# Altium PCB LimeSDR-Micro_M.2_2280_1v0.PcbDoc (part 6 of 7)
Units mm, origin at the board's own origin, x right, y up, seen from the top; angles counter-clockwise.
Board outline 80 x 22 mm, 8 copper layers (Top, L2, L3, L4, L5, L6, L7, Bottom), stack 0.775 mm thick; 671 components, 387 nets, 2350 pads, 853 vias.
Unrouted connection lines stored in the file: 254.
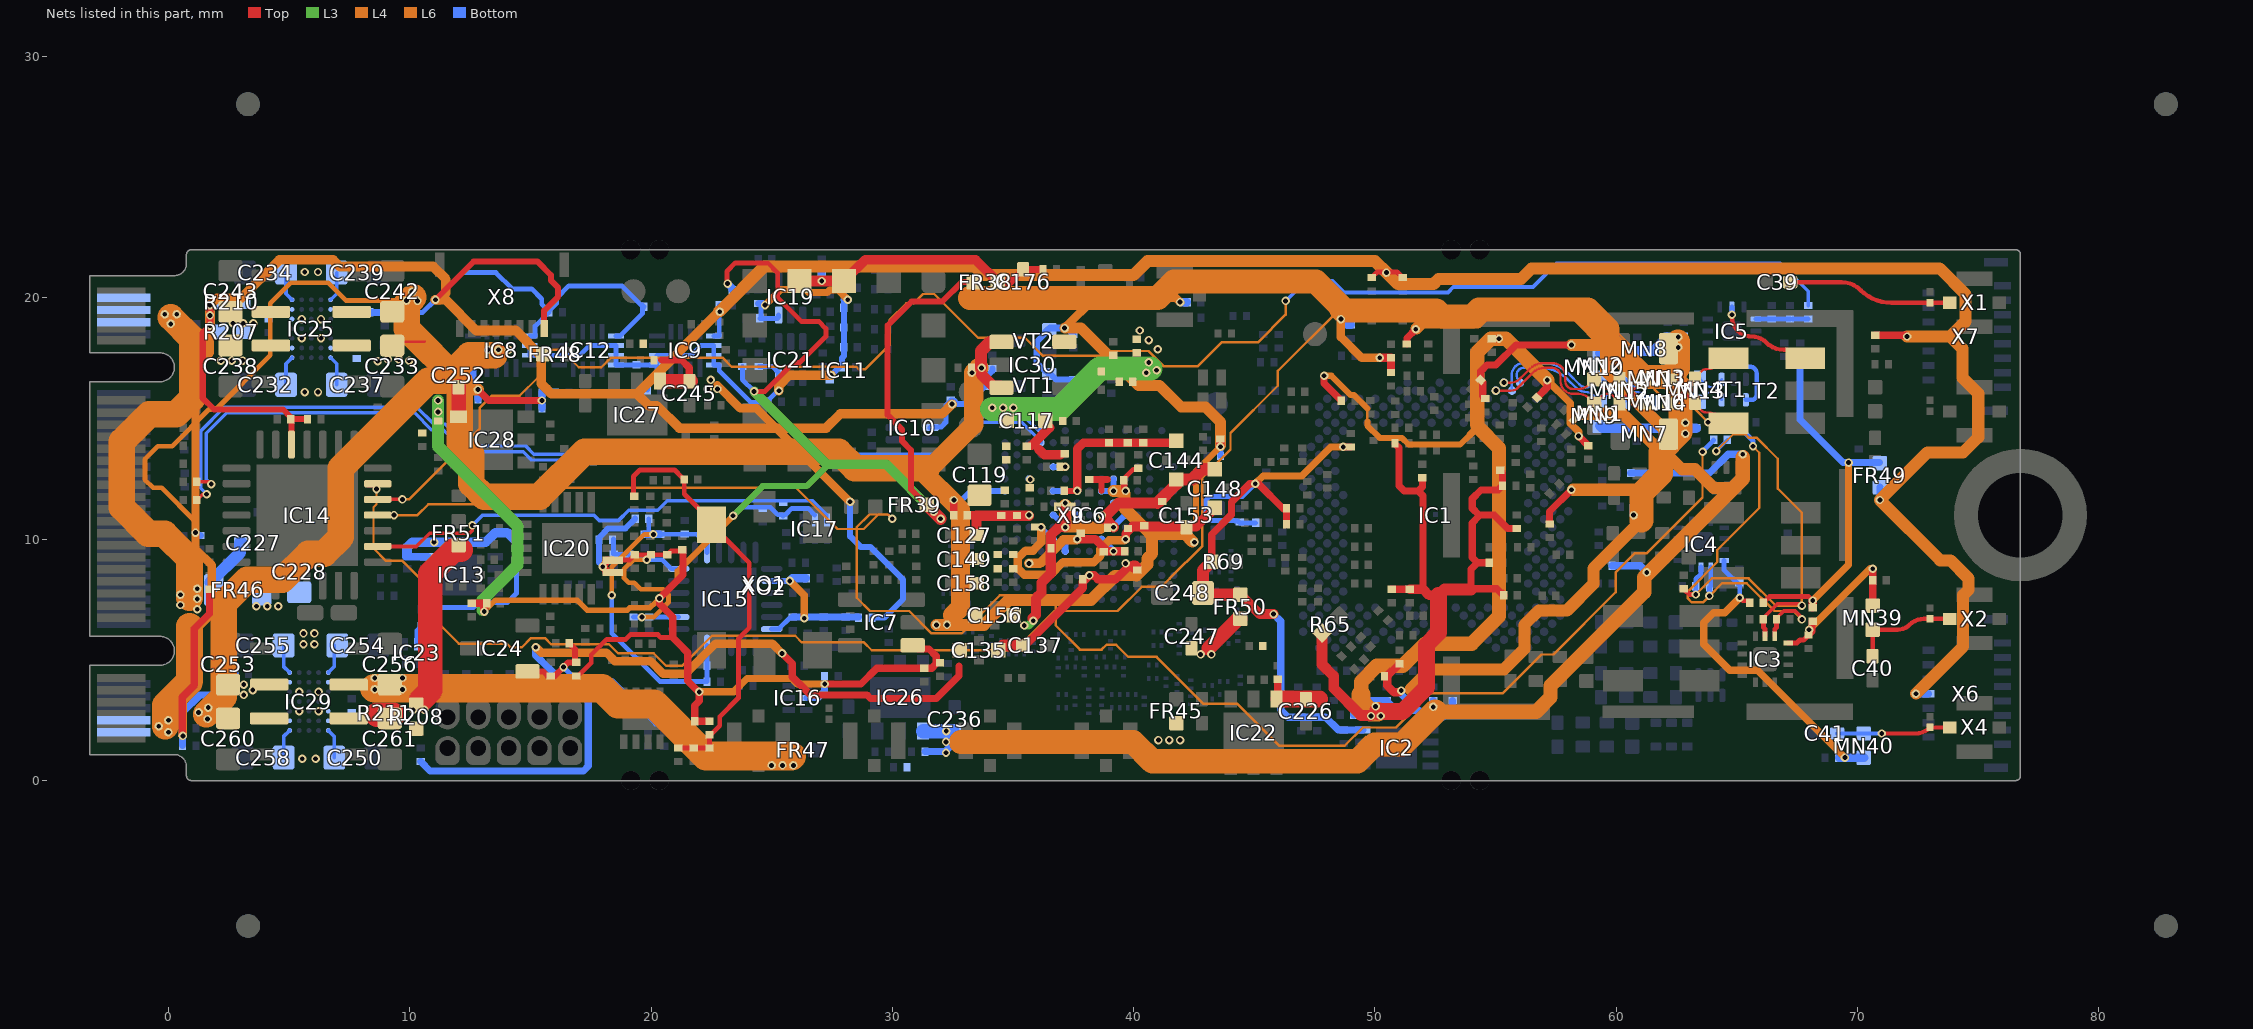
[diagram p12: the nets of this part, all layers, seen from the top]

## Via types
v1: diameter 0.35, hole 0.2, Top to Bottom, tented both sides, 702 vias
v2: diameter 0.35, hole 0.2, L5 to Bottom, tented both sides, 109 vias
v3: diameter 0.4, hole 0.2, Top to Bottom, tented both sides, 30 vias
v4: diameter 0.5, hole 0.2, Top to Bottom, tented both sides, 12 vias

## Nets (pads, with @x,y where several pads share a name; then routed paths per layer and width w, separated by ;. In a path a pad name is that pad's centre, name@x,y a point inside that pad or via, vN(x,y) a via of type N, cw(c..) or ccw(c..) an arc to the next point about the centre after c; other vN are vias at no path point) (continued)
RX_SW2: IC14.25 R60.2 | length 74.4
  Top w0.15: IC14.25@8.675,11 v1(9.35,11)
  L4 w0.1: v1(30,10.85) 29.991,10.85 29.816,11.025 29.05,11.025 28.525,10.5 28.525,7.575 29.075,7.025 30.7,7.025 31.625,6.1 32.875,6.1 34.45,7.675 36.425,7.675 36.775,7.325 36.775,6.425 37.775,5.425 38.375,5.425 38.675,5.425 38.875,5.625 39.275,5.625 39.775,5.125 40.95,5.125 42.9,3.175 44.3,3.175 46.025,1.45 48.75,1.45 49.5,2.2 50.875,2.2 52.3,3.625 55.3,3.625 56.9,5.225 57.4,5.225 59.975,7.8 59.975,8.625 60.775,9.425 61.275,9.425 63.575,11.725 v1(63.575,13.625)
  L6 w0.1: v1(9.35,11) 10.325,11 10.775,11.45 13.975,11.45 14.65,12.125 26.022,12.125 27.722,10.425 28.815,10.425 29.415,11.025 29.816,11.025 29.991,10.85 v1(30,10.85)
  Bottom w0.2: v1(63.575,13.625) 63.575,13.639 64.036,14.1 R60.2@64.036,14.125
RX_SW2_DIV: C46.1 C48.1 IC3.6 IC4.6 R60.1 R64.1 | length 20
  Top w0.15: C46.1@66.096,6.675 66.146,6.725 66.146,6.793 66.678,7.325 v1@67.616,7.325
  Top w0.2: R64.1@62.791,7.945 62.816,7.945 62.866,7.895 62.866,7.87 63.024,7.712 63.293,7.712 v1(63.294,7.71) ; C46.1@66.096,6.675 66.096,6.345 66.166,6.275 IC3.6@66.166,5.977
  L4 w0.1: v1(63.294,7.71) 63.959,8.375 65.483,8.375 66.608,7.25 v1(67.691,7.25) 67.691,11.1 66.691,12.1 66.691,13.334 65.825,14.2 65.5,14.2 65.35,14.35 64.846,14.35 v1(64.146,13.65)
  Bottom w0.15: v1(64.146,13.65) 64.146,13.675 64.158,13.675 64.596,14.113 R60.1@64.596,14.125
  Bottom w0.2: v1(63.294,7.71) C48.1@63.294,8.06 63.294,8.354 63.516,8.575 IC4.6@63.516,8.847
RX_SW3: IC14.27 R61.2 | length 73.2
  Top w0.3: IC14.27@8.3,12.3 IC14.27@8.675,12.3 IC14.27@8.725,12.3 ; v1(8.625,12.075) IC14.27@8.625,12.236
  L6 w0.1: v1(8.625,12.075) 8.625,11.45 8.5,11.325 8.5,9.625 9.025,9.1 9.7,9.1 11.275,7.525 11.275,6.434 12.034,5.675 14.025,5.675 14.175,5.525 14.65,5.525 15.025,5.9 15.609,5.9 15.859,5.65 18.259,5.65 18.634,5.275 20.11,5.275 20.635,4.75 21.283,4.75 22.533,6 25.975,6 26.25,5.725 28.825,5.725 29.15,5.4 35.091,5.4 36.716,7.025 39.334,7.025 40.334,8.025 41.15,8.025 41.3,8.175 ; 41.301,8.175 41.492,8.365 ; 41.492,8.367 42.85,9.725 42.85,12.55 44.016,13.716 44.016,14.4 45.975,16.359 45.975,16.975 48.65,19.65 50.659,19.65 50.934,19.375 54.066,19.375 54.391,19.7 58.916,19.7 60.766,17.85 60.766,17.025 62.391,15.4 63.256,15.4 v2(63.806,14.85)
RX_SW3_DIV: C47.1 C49.1 IC3.5 IC4.5 R61.1 R63.1 | length 18.5
  Top w0.15: C47.1@66.636,6.723 66.938,7.025 67.418,7.025 67.691,6.752 v1@67.691,6.7
  Top w0.2: IC3.5@66.566,5.977 66.566,6.275 66.636,6.345 C47.1@66.636,6.675 C47.1@66.636,6.723
  L4 w0.1: v1(65.666,13.85) 65.666,13.845 65.925,13.586 65.925,11.3 64.191,9.566 64.191,9.066 62.966,7.841 62.966,7.55 63.131,7.385 63.596,7.385 v1(63.861,7.65) 64.386,8.175 65.4,8.175 66.55,7.025 67.341,7.025 v1(67.691,6.675)
  Bottom w0.2: v1(63.861,7.65) C49.1@63.861,8 63.916,8.055 IC4.5@63.916,8.847 ; R61.1@64.591,14.85 R63.1@65.231,14.85 65.231,14.51 65.666,14.075 v1(65.666,13.85)
RXA: C40.1 ESD2.1 MN39.1 X2.1 | length 4.4
  Top w0.18: C40.1@70.625,5.15 MN39.1@70.625,6.25 71.667,6.25 ccw(c71.667,6.933) 72.15,6.45 cw(c72.753,5.847) 72.753,6.7 ESD2.1@73,6.7 X2.1@73.825,6.7
RXB: C41.1 ESD3.1 MN40.1 X4.1 | length 4.7
  Top w0.18: v1(71,1.95) 72.397,1.95 ccw(c72.397,2.803) ESD3.1@73,2.2 X4.1@73.825,2.2
  Bottom w0.18: C41.1@69.15,1.95 MN40.1@70.25,1.95 v1(71,1.95)
SMB_CLK_CTRL: IC14.23 IC17.6 R160.1 | length 20.3
  Top w0.15: IC14.23@8.675,9.7 10.275,9.7 10.825,10.25 12.475,10.25 12.6,10.375 v1(12.6,10.575)
  Bottom w0.15: v1(12.6,10.575) 13.025,11 17.625,11 17.85,10.775 18.65,10.775 19.075,11.2 20.275,11.2 20.675,11.6 26.7,11.6 27.287,11.013 IC17.6@27.287,10.8 IC17.6@27.287,10.7
T0_N: C116.2 IC6.R4 | length 40.2
  Top w0.14: C116.2@1.175,11.625 1.416,11.866 v1(1.585,11.866)
  Bottom w0.14: v1(1.585,11.866) 1.335,12.116 1.335,14.485 2.325,15.475 10.3,15.475 11,14.775 11.481,14.775 12.391,13.865 14.799,13.865 15.139,13.525 32.011,13.525 33.566,15.081 35.469,15.081 36.019,14.531 36.136,14.531 IC6.R4@36.167,14.5
T0_P: C114.2 IC6.P4 | length 39.6
  Top w0.14: C114.2@1.175,12.375 1.688,12.375 v1(1.777,12.286)
  Bottom w0.14: v1(1.777,12.286) 1.575,12.488 1.575,14.386 2.424,15.235 10.201,15.235 10.901,14.535 11.382,14.535 12.292,13.625 14.7,13.625 15.04,13.285 32.11,13.285 33.666,14.841 35.369,14.841 36.167,14.043 IC6.P4@36.167,14
TX1_1: IC5.11 T1.1 | length 3
  Bottom w0.18: IC5.11@64.791,17.625 64.791,17.425 ccw(c65.066,17.425) 65.066,17.15 65.541,17.15 cw(c65.541,16.875) 65.816,16.875 65.816,15.987 cw(c65.604,15.987) 65.604,15.775 T1.1@65.367,15.775
TX1_1_A_N: IC1.A7 MN1.1 MN5.1 MN6.2 | length 7.2
  Bottom w0.1: IC1.A7@56.012,16.49 ccw(c55.909,16.49) 55.982,16.563 55.962,16.583 cw(c56.181,16.802) 55.871,16.802 cw(c56.181,16.802) 55.962,17.021 cw(c56.152,16.831) 56.152,17.1 56.864,17.1 cw(c56.864,15.545) 57.963,16.644 58.328,16.28 ccw(c58.763,16.715) 58.763,16.1 58.765,16.1 cw(c58.765,15.735) 59.022,15.993 MN1.1@59.316,15.7 59.609,15.993 cw(c59.867,15.735) 59.866,16.1 cw(c59.865,15.735) 60.122,15.993 MN5.1@60.366,15.75 ; MN5.1@60.341,15.725 MN5.1@60.366,15.75 ; MN5.1@60.391,15.725 MN5.1@60.366,15.75 ; MN6.2@61.416,15.7 61.122,15.993 ccw(c60.865,15.735) 60.866,16.1 ccw(c60.867,15.735) 60.609,15.993 MN5.1@60.366,15.75
TX1_1_A_P: IC1.B8 MN2.1 MN3.1 MN5.2 | length 7.8
  Bottom w0.1: IC1.B8@55.679,16.157 55.671,16.165 55.671,16.803 cw(c56.179,16.803) 55.82,17.162 55.821,17.163 cw(c56.151,16.833) 56.151,17.3 56.947,17.3 cw(c56.947,15.745) 58.046,16.844 58.468,16.423 ccw(c58.765,16.72) 58.765,16.3 ccw(c58.765,16.665) 59.022,16.407 MN2.1@59.291,16.675 ; MN2.1@59.316,16.7 59.609,16.407 ccw(c59.867,16.665) 59.866,16.3 ccw(c59.865,16.665) 60.122,16.407 MN5.2@60.366,16.65 ; MN5.2@60.341,16.675 MN5.2@60.366,16.65 ; MN5.2@60.391,16.675 MN5.2@60.366,16.65 ; MN3.1@61.416,16.7 61.122,16.407 cw(c60.865,16.665) 60.866,16.3 cw(c60.867,16.665) 60.609,16.407 MN5.2@60.366,16.65
TX1_1_B_N: MN4.2 MN6.1 T1.3 | length 2.6
  Bottom w0.1: MN6.1@62.416,15.7 62.709,15.993 cw(c62.967,15.735) 62.966,16.1 ; 62.966,16.1 cw(c62.965,15.735) 63.222,15.993 MN4.2@63.466,15.75 ; MN4.2@63.441,15.725 MN4.2@63.466,15.75 ; MN4.2@63.491,15.725 MN4.2@63.466,15.75 ; T1.3@64.367,15.775 cw(c64.487,15.896) 64.317,15.896 ccw(c64.112,15.896) 64.112,16.1 63.967,16.1 ccw(c63.967,15.735) 63.709,15.993 MN4.2@63.466,15.75
TX1_1_B_P: MN3.2 MN4.1 T1.4 | length 2.6
  Bottom w0.1: MN3.2@62.416,16.7 62.709,16.407 ccw(c62.967,16.665) 62.966,16.3 ; 62.966,16.3 ccw(c62.965,16.665) 63.222,16.407 MN4.1@63.466,16.65 ; MN4.1@63.441,16.675 MN4.1@63.466,16.65 ; MN4.1@63.491,16.675 MN4.1@63.466,16.65 ; T1.4@64.367,16.625 ccw(c64.487,16.504) 64.317,16.504 cw(c64.112,16.504) 64.112,16.3 63.967,16.3 cw(c63.967,16.665) 63.709,16.407 MN4.1@63.466,16.65
TX1_2: IC5.5 T2.1 | length 3.4
  Top w0.18: v1(64.791,19.3) 64.791,19.221 ccw(c65.612,19.221) 65.612,18.4 cw(c65.612,17.546) 66.216,18.15 ccw(c66.94,18.874) 66.94,17.85 T2.1@67.091,17.85 ; T2.1@67.761,17.564 T2.1@67.831,17.495
  Bottom w0.2: v1(64.791,19.3) IC5.5@64.791,19.625
TX1_2_A_N: IC1.B10 MN9.1 MN12.2 MN14.1 | length 8
  Top w0.1: v1(55.013,16.157) 55.634,16.157 ccw(c55.634,16.552) 55.914,16.273 56.564,16.923 cw(c56.991,16.496) 56.991,17.1 57.341,17.1 cw(c57.341,16.75) 57.691,16.75 57.691,16.55 ccw(c58.216,16.55) 58.216,16.025 58.428,16.025 cw(c58.428,15.39) 58.877,15.839 MN9.1@59.091,15.625 59.384,15.918 cw(c59.642,15.66) 59.641,16.025 cw(c59.64,15.66) 59.897,15.918 60.141,15.675 60.116,15.65 60.384,15.918 cw(c60.642,15.66) 60.641,16.025 cw(c60.64,15.66) 60.897,15.918 MN14.1@61.191,15.625
TX1_2_A_P: IC1.A9 MN10.1 MN11.2 MN12.1 | length 7.7
  Top w0.1: v1(55.346,16.49) 55.633,16.49 ccw(c55.633,17.01) 56,16.642 ; 56.047,16.689 56,16.642 ; MN11.2@61.191,16.625 60.897,16.332 cw(c60.64,16.59) 60.641,16.225 cw(c60.642,16.59) 60.384,16.332 60.116,16.6 60.141,16.575 59.897,16.332 cw(c59.64,16.59) 59.641,16.225 cw(c59.642,16.59) 59.384,16.332 MN10.1@59.091,16.625 58.877,16.411 cw(c58.428,16.86) 58.428,16.225 58.216,16.225 cw(c58.216,16.55) 57.891,16.55 57.891,16.75 ccw(c57.341,16.75) 57.341,17.3 56.99,17.3 ccw(c56.99,16.498) 56.423,17.065 56,16.642
TX1_2_B_N: MN13.1 MN14.2 T2.4 | length 3.1
  Top w0.1: MN14.2@62.191,15.625 62.484,15.918 cw(c62.742,15.66) 62.742,16.025 ; 62.74,16.025 cw(c62.74,15.66) 62.997,15.918 MN13.1@63.266,15.65 ccw(c63.386,15.65) 63.301,15.565 63.527,15.338 ccw(c63.741,15.552) 63.741,15.25 cw(c63.741,14.127) 64.535,14.921 T2.4@64.651,14.805
TX1_2_B_P: MN11.1 MN13.2 T2.6 | length 3.1
  Top w0.1: MN11.1@62.191,16.625 62.484,16.332 ccw(c62.742,16.59) 62.742,16.225 ; 62.74,16.225 ccw(c62.74,16.59) 62.997,16.332 MN13.2@63.266,16.6 ; MN13.2@63.266,16.65 cw(c63.386,16.65) 63.301,16.735 63.527,16.962 cw(c63.741,16.748) 63.741,17.05 ccw(c63.741,18.173) 64.535,17.379 T2.6@64.651,17.495
TX_SW: IC14.26 R59.2 | length 70.3
  Top w0.15: IC14.26@8.675,11.65 v1(9.7,11.65)
  L6 w0.1: v1(9.7,11.65) 9.975,11.65 12.9,14.575 12.9,15.435 13.415,15.95 14.56,15.95 15.325,16.715 15.325,17.4 15.775,17.85 16.283,17.85 17.008,17.125 17.942,17.125 18.342,17.525 22.961,17.525 23.336,17.15 28.515,17.15 28.615,17.05 28.885,17.05 29.887,18.053 29.887,19.087 30.575,19.775 30.891,19.775 31.278,20.162 31.738,20.162 33.55,18.35 35.5,18.35 36.25,17.6 38.875,17.6 39.075,17.8 40.615,17.8 41.24,17.175 42.667,17.175 43.647,18.155 45.147,18.155 46.3,19.308 v1(46.3,19.875)
  Bottom w0.15: v1(46.3,19.875) 47.125,20.7 48.25,20.7 48.725,20.225 53.025,20.225 53.25,20.45 56.55,20.45 57.525,21.425 66.8,21.425 67.95,20.275 R59.2@67.95,19.685
TX_SW_DIV: C43.1 IC5.7 R59.1 R62.1 | length 2
  Bottom w0.2: IC5.7@65.791,19.125 C43.1@66.436,19.125 R62.1@67.2,19.125 ; R62.1@67.32,19.125 R59.1@67.95,19.125
TXA: C39.1 ESD1.1 X1.1 | length 6.9
  Top w0.18: C39.1@67.2,20.65 69.34,20.65 cw(c69.34,19.54) 70.125,20.325 ccw(c71.392,21.592) 71.392,19.8 ESD1.1@73,19.8 X1.1@73.825,19.8
VCC0P9: C139.2 C140.2 C141.2 C142.2 C143.2 C144.1 C148.1 C156.1 C233.2 IC6.G6 IC6.G10 IC6.H5 IC6.H7 IC6.H9 IC6.H11 IC6.J6 IC6.J10 IC25.C4 L2.2 | length 18.8
  Top w0.1: C233.2@9.275,18.025 9.425,18.175 10.625,18.175
  Top w0.42: v1@35.816,6.725 35.949,6.858 35.949,7.548 36.182,7.781 36.182,8.201 36.566,8.585 36.566,10.175 36.891,10.5 v1(37.167,10.5) 37.167,11.25
  Top w0.45: v1(39.167,10.5) 38.791,10.876 38.791,10.917 39.374,11.5 40.991,11.5
  Top w0.5: 40.991,11.5 41.766,12.275 C144.1@41.766,12.475 42.416,12.475 42.841,12.9 C148.1@43.366,12.9
  L3 w0.35: v1(35.466,6.425) 35.641,6.425 v1(35.841,6.625)
  L6 w0.5: v1@37.166,10.525 v1@37.166,11.425 ; v1@37.216,10.525 37.891,10.525 37.941,10.475 38.616,10.475 38.866,10.725
  Bottom w0.25: IC6.H5@36.667,11 36.68,11 36.705,10.975 36.722,10.975 37.142,10.555 37.142,10.539 37.167,10.514 v1(37.167,10.5) ; v1(37.167,11.5) 37.167,11.486 37.192,11.461 37.192,11.445 37.611,11.025 37.628,11.025 37.653,11 IC6.H7@37.667,11 ; IC6.H9@38.667,11 v1(38.68,11) 38.705,11.025 38.757,11.025 39.167,11.434 IC6.J10@39.167,11.5 ; v1(39.167,10.5) 39.167,10.514 39.192,10.539 39.192,10.555 39.611,10.975 39.628,10.975 39.653,11 IC6.H11@39.667,11
  other v1: 8.675,17.375 9.975,17.4 9.1,17.45 9.55,17.45 6.325,18.325
VCC0P9_AFE_CVDD: C148.3 C152.2 C153.2 C154.2 C155.2 IC6.F5 IC6.F11 | length 12.7
  Top w0.35: v1(39.667,10) 39.667,10.226 39.816,10.375 39.966,10.525
  Top w0.4: 39.966,10.525 40.441,10.525 42.191,10.525 42.591,10.525 C148.3@43.366,11.3
  L6 w0.35: v1(36.167,10.5) 36.167,9.864 35.833,9.53 35.525,9.53 35.192,9.197 35.192,8.803 35.47,8.525 36.555,8.525 37.08,9.05 38.353,9.05 38.617,9.314 38.617,9.586 38.98,9.95 39.617,9.95 v1(39.667,10)
  Bottom w0.2: v1(36.167,10.5) IC6.F5@36.667,10
VCC0P9_AFE_SVDD: C149.2 C150.1 C151.1 C156.3 C157.2 C158.2 C159.2 C160.2 C161.2 C162.2 IC6.D3 IC6.E6 IC6.E10 IC6.F7 IC6.F9 | length 6.1
  Top w0.35: v1(37.667,10) 38.416,10 38.916,9.5 v1(39.167,9.5) C150.1@39.606,9.5
  L6 w0.4: v1(35.667,9) 36.116,9 37.091,9.975 v1@37.642,9.975
  Bottom w0.25: IC6.E6@37.167,9.5 37.167,9.801 37.366,10 v1(37.667,10) ; IC6.F9@38.667,10 38.68,10 38.705,9.975 38.722,9.975 39.157,9.54 39.157,9.51 v1(39.167,9.5)
VCC0P9_SD_SVDD: C144.3 C145.2 C146.2 C147.2 IC6.K5 IC6.K7 R81.2 | length 7.5
  Top w0.25: R81.2@37.121,12 v1(37.667,12)
  Top w0.35: v1(37.667,12) 37.666,12.001 37.666,13.75 37.916,14 38.491,14 39.266,14 39.916,14 41.691,14 C144.3@41.766,14.075
  Bottom w0.25: IC6.K5@36.667,12 v1(37.667,12)
VCC1P4_LMS: C236.2 FR22.2 FR23.2 FR24.2 FR25.2 IC26.4 R200.2 R201.1 | length 68.7
  Top w0.3: FR25.2@51.325,18.085 51.325,18.334 v1(51.691,18.7)
  L4 w0.6: 52.5,2.85 56.203,2.85 56.679,2.85 57.275,3.446 57.275,3.921 61.166,7.812 61.166,8.425 65.241,12.5 v1@65.241,13.4
  L4 w1: 32.85,1.6 39.975,1.6 40.775,0.8 49.275,0.8 49.975,1.5 51.15,1.5 52.5,2.85
  L6 w0.5: v1@51.716,18.725 51.966,18.975 54.241,18.975 54.566,19.3 58.317,19.3 59.566,18.052 59.566,16.975 61.991,14.55 61.991,13.625 62.716,12.9 63.266,12.9 64.041,12.125 64.783,12.125 65.241,12.583 v1@65.241,13.45
  Bottom w0.3: R201.1@31.35,1.2 32.19,1.2 32.486,1.496 32.486,2.046 C236.2@32.49,2.05 ; v1(52.416,3.05) FR23.2@52.416,3.32 ; FR24.2@59.821,8.9 60.991,8.9 v1(61.266,8.625) ; FR22.2@60.601,12.745 63.861,12.745 64.641,13.525 v1(65.241,13.525)
  Bottom w0.6: IC26.4@31.275,2.05 C236.2@32.49,2.05
  other v1: 32.225,1.15 32.225,1.6 32.236,2.046
VCC1P5: C253.2 FR45.1 IC29.C4 L6.2 | length 0.2
  Top w0.1: C253.2@2.325,3.825 C253.2@2.475,3.975
  other v1: 41.025,1.675 41.475,1.675 41.925,1.675 3.125,3.55 5.425,3.675 3.5,3.75 3.125,3.975
VCC1P8: C130.2 C131.2 C135.1 C163.2 C165.2 C172.2 C213.1 C223.1 C242.2 C262.1 IC6.K1 IC6.K9 IC6.K11 IC6.L10 IC8.5 IC8.6 IC8.14 IC8.15 IC9.5 IC9.6 IC9.14 IC9.15 IC9.16 IC12.6 IC12.14 IC12.15 IC12.16 IC19.6 IC21.6 IC25.E4 IC30.1 IC30.3 L4.2 R72.1 R73.1 R83.2 R87.2 R89.1 R90.2 R115.1 R116.1 R117.1 R118.1 R119.1 R120.1 R121.1 R122.1 R123.1 R124.1 R144.1 R145.1 R147.1 R170.2 R182.2 VT1.G VT2.G | length 181.5
  Top w0.1: C242.2@9.275,19.425 C242.2@9.425,19.275
  Top w0.2: C130.2@39.586,12.45 39.586,12.475 39.636,12.525 39.636,12.548 39.983,12.895 40.141,12.895 R72.1@40.191,12.945
  Top w0.25: R83.2@32.549,11 R83.2@32.549,11 ; 38.667,12 38.667,12.299 ; C130.2@39.586,12.45 39.611,12.425 39.611,12.083 39.667,12.027 v1(39.667,12)
  Top w0.3: v1(12.825,16.2) 13.275,15.75 v1(15.48,15.75) ; v1(25.43,5.27) 25.85,4.85 25.85,4.3 26.6,3.55 28.95,3.55 29.1,3.4 31.825,3.4 32.762,4.337 32.762,4.75 ; R83.2@32.549,11 v1(32.55,11.625) ; C131.2@38.166,12.48 38.916,12.48
  Top w0.35: v1(43.596,13.83) R73.1@43.596,14.105
  Top w0.45: 33.693,16.824 34.167,16.35 34.45,16.35 IC30.3@34.525,16.275
  Top w0.5: v1@33.675,17.1 33.675,17.8 34.05,18.175 IC30.1@34.525,18.175
  L4 w0.45: v1@37.15,18.75 37.825,18.75 40.2,16.375 41.075,16.375 41.975,15.475 42.975,15.475 43.596,14.854 v1@43.596,13.88
  L4 w0.5: 11.95,16.2 12.075,16.2 v1(12.825,16.2)
  L4 w0.8: 31.338,12.713 32.55,11.5 32.825,11.225 32.825,7.175 32.5,6.85 ; 31.575,12.95 33.375,14.75 33.375,16.897 v1@33.578,17.1
  L4 w1.1: 10.15,20.025 9.875,19.75 9.875,18.725 12.075,16.525 12.075,16.2 12.075,14 12.55,13.525 12.55,12.3 13.087,11.763 15.388,11.763 17.25,13.625 27.775,13.625 28.45,12.95 31.425,12.95
  L6 w0.2: v2(1.125,10.275) 1.125,10.725 -0.28,12.13 -0.633,12.13 -0.975,12.471 -0.975,13.313 -0.438,13.85 0.155,13.85 1.68,15.375 1.975,15.375 4.225,17.625 4.225,19.775 5.075,20.625 6.625,20.625 7.363,19.887 v1(9.862,19.887)
  L6 w0.25: 42.116,10.225 42.575,10.684 42.575,12.809 v1(43.596,13.83)
  L6 w0.3: v1(24.725,19.7) 25.375,20.35 26.401,20.35 26.526,20.225 27.299,20.225 27.399,20.325 27.751,20.325 v1(28.15,19.925)
  L6 w0.35: v1(15.225,5.525) 15.45,5.3 18.15,5.3 18.5,4.95 19.975,4.95 20.5,4.425 21.425,4.425 22.675,5.675 25.025,5.675 v1(25.43,5.27) ; v1(37.141,18.75) 38.391,20 41.75,20 v2(41.925,19.825)
  L6 w0.4: v1(25.3,16.15) 25.3,16.375 25.724,16.799 v1(27.47,16.799)
  L6 w0.45: 39.25,8.5 40.112,8.5
  L6 w0.5: v1(31.825,6.45) 33.791,6.45 34.816,7.475 38.225,7.475 39.225,8.475 ; v1(39.167,12) v1@39.516,12 ; v1@39.616,11.9 39.616,11.293 40.684,10.225 ; 40.112,8.5 40.566,8.953 40.566,9.2 40.766,9.4 40.766,10.143 40.684,10.225 ; v1@42.441,9.9 42.116,10.225 40.684,10.225
  Bottom w0.2: IC8.14@14.975,18.025 IC8.15@14.975,17.625 15.587,17.625 ; C172.2@15.48,16.075 R116.1@16.045,16.075 ; C172.2@15.55,16.195 15.55,17.587 15.587,17.625 ; C165.2@19.845,16.175 19.86,16.19 19.86,16.51 20.25,16.9 IC9.5@20.25,17.225 ; R182.2@24.464,17.16 25.017,17.16 25.289,16.888 IC21.6@25.289,16.69 IC21.6@25.289,16.581 ; C213.1@24.505,19.15 C213.1@24.555,19.15 ; R170.2@24.555,19.7 C213.1@24.555,19.15 ; C223.1@24.795,15.75 C223.1@24.845,15.7 24.895,15.75 24.895,15.798 25.289,16.192 IC21.6@25.289,16.581 ; C223.1@24.895,15.625 24.845,15.675 24.125,15.675 22.825,16.975 22.825,17.225 IC9.16@22.6,17.225 IC9.15@22.6,17.625 IC9.14@22.6,18.025 22.062,18.025 21.662,17.625 IC9.6@20.25,17.625 IC9.5@20.25,17.225 ; IC21.6@25.239,16.531 IC21.6@25.289,16.581 ; IC19.6@25.289,19.29 25.289,19.2 25.239,19.15 C213.1@24.555,19.15 ; 15.587,17.625 IC12.6@16.2,17.625 17.05,17.625 17.45,18.025 IC12.14@18.55,18.025 IC12.15@18.55,17.625 IC12.16@18.55,17.225 IC9.5@20.25,17.225
  Bottom w0.25: v1(27.47,16.799) 27.915,17.244 27.915,17.515 27.99,17.59 R124.1@27.99,17.95 R119.1@27.99,18.775 R120.1@27.99,19.6 R118.1@27.99,20.425 R121.1@27.99,21.25 ; v1(32.55,11.625) 32.874,11.625 33.249,12 IC6.K1@34.667,12 ; VT1.G@36.511,16.84 36.386,16.965 36.326,16.965 35.986,17.305 35.986,18.19 36.336,18.54 36.336,18.59 36.461,18.715 VT2.G@36.511,18.715 ; VT1.G@36.561,16.84 36.778,16.623 R144.1@37.489,16.623 ; IC6.K9@38.667,12 v1(39.167,12) IC6.L10@39.167,12.5 ; R87.2@43.596,13.45 v1(43.596,13.83)
  Bottom w0.3: v2(1.125,10.275) 1.139,10.275 1.259,10.155 R145.1@1.325,10.155 ; R90.2@10.455,0.79 10.845,0.4 17.2,0.4 17.4,0.6 17.4,3.425 17.05,3.775 16.65,3.775 15.78,4.645 15.775,4.645 15.225,5.195 v1(15.225,5.525) ; IC8.6@12.625,17.55 IC8.5@12.625,17.225 12.625,16.425 12.625,16.4 v1(12.825,16.2) 12.83,16.195 R89.1@12.83,15.8 ; R123.1@15.48,15.425 v1(15.48,15.75) C172.2@15.48,16.125 ; R170.2@24.45,19.77 24.641,19.77 24.711,19.7 v1(24.725,19.7) ; VT2.G@36.546,18.75 v1(37.141,18.75) 37.15,18.74 37.246,18.74 37.464,18.523 37.464,18.498 R147.1@37.489,18.498
  Bottom w0.35: v1@28.033,19.925 v1(28.15,19.925) ; v2(41.925,19.825) R117.1@42.195,19.825
  other v1: 32.266,6.45 42.516,9.875 33.3,16.9 33.7,17.1 6.325,19.125 10.325,19.875 10.1,20.25
VCC1P8_AFE_OTVDD: C135.3 C136.2 C137.2 C138.2 IC6.C8 IC6.D11 | length 7.4
  Top w0.35: C137.2@35.416,5.6 35.506,5.6 37.896,7.99 37.896,8.229 v1(38.167,8.5) 38.366,8.5 38.516,8.35 39.266,8.35 39.791,8.875 C136.2@39.991,8.875
  Top w0.5: C135.3@34.391,5.4 34.591,5.6 C137.2@35.416,5.6 ; C136.2@39.991,8.875 C136.2@40.049,8.875
  other v1: 39.667,9
VCC1P8_AVDD_PLAT: C127.2 C128.1 C129.1 IC6.H3 R83.1 | length 3.3
  Top w0.35: R83.1@33.159,11 33.466,11 33.491,10.975
  Top w0.42: C127.2@33.491,10.175 33.491,10.975 v1@35.666,10.975
  other v1: 35.667,11
VCC1P8_LMK_VDDO: C191.1 C192.2 C193.2 C195.2 FR41.2 IC15.14 IC15.18 | length 7.1
  L6 w0.3: v1(25.75,8.275) 26.35,7.675 v1(26.35,6.725)
  Bottom w0.15: C193.2@25.85,6.78 C193.2@25.875,6.78
  Bottom w0.2: IC15.18@25,6.275 25.311,6.275 25.335,6.298 25.335,6.325 25.74,6.73 25.8,6.73 C193.2@25.85,6.78
  Bottom w0.25: IC15.14@25,8.275 v1(25.75,8.275)
  Bottom w0.3: C193.2@25.875,6.78 C195.2@27.15,6.78 FR41.2@28.595,6.78
  Bottom w0.35: v1(25.75,8.275) 25.85,8.375 C192.2@26.42,8.375
VCC1P8_LMS: C29.2 C30.2 C31.1 C32.1 C33.2 C34.2 C35.1 C36.1 C245.2 FR26.2 FR27.1 FR28.1 FR29.2 FR30.2 FR31.2 FR32.2 FR33.2 FR41.1 IC27.4 MN1.2 MN2.2 MN7.2 MN8.2 R68.2 R70.2 R71.1 R206.2 R213.1 | length 101.8
  Top w0.3: 20.45,17.425 21.265,17.425 21.586,17.104 21.586,16.554 C245.2@21.59,16.55 ; R70.2@54.566,15.83 54.541,15.83 54.541,15.855 54.466,15.93 54.466,16.512 54.364,16.614 54.382,16.631 54.382,16.966 54.641,17.225 55.016,17.225 55.841,18.05 v1(58.141,18.05) ; FR28.1@57.236,10.63 57.236,11.145 v1(58.141,12.05) ; FR26.2@58.239,14.952 58.426,15.139 v1(58.576,15.139)
  Top w0.35: v1(50.196,17.52) FR31.2@50.666,17.52 FR33.2@50.666,16.93 ; R71.1@50.421,4.325 R71.1@50.502,4.325 ; R71.1@50.477,4.3 R71.1@50.502,4.325 ; R71.1@50.527,4.325 R71.1@50.502,4.325 ; FR30.2@50.992,4.815 R71.1@50.502,4.325 ; v1@51.016,3.65 50.791,3.65 50.502,3.939 R71.1@50.502,4.325